# KiCad board memory.ROMRAM.kicad_pcb (continued)
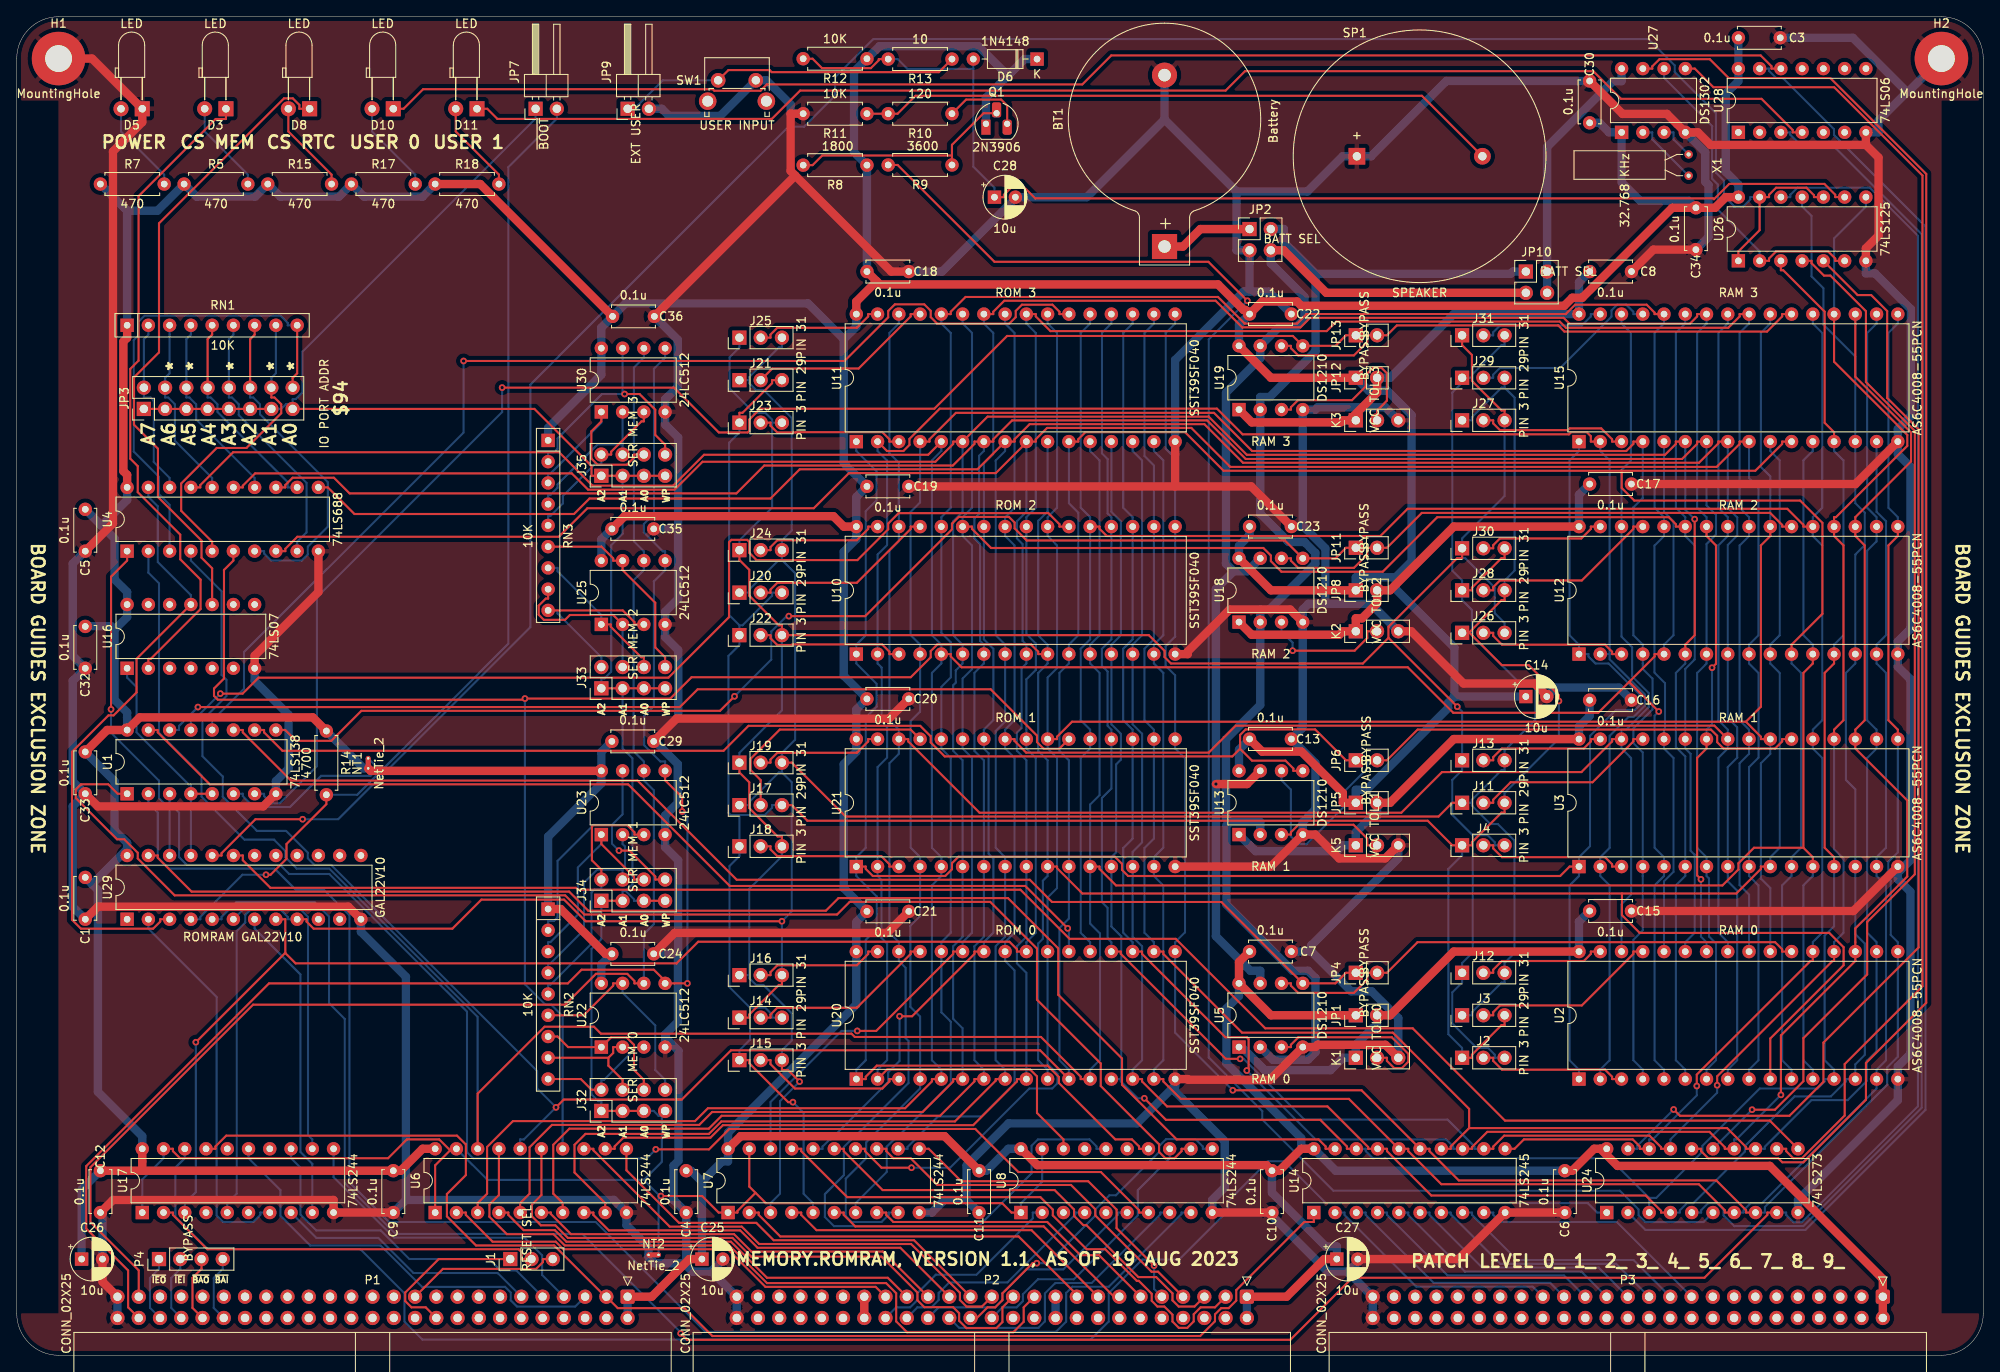
[diagram p0: board, top side]
## Nets (continued)
~{BOOT}: JP7.2 R14.2 U29.4
~{bRD}: U2.24 U3.24 U10.24 U11.24 U12.24 U15.24 U17.3 U20.24 U21.24 U29.8
~{bRESET}: U17.18 U24.1
~{BUS_EN}: U14.19 U29.23
~{bWR}: J3.1 J11.1 J12.3 J13.3 J14.1 J16.3 J17.1 J19.3 J20.1 J21.1 J24.3 J25.3 J28.1 J29.1 J30.3 J31.3 U17.5 U29.9
~{CEO0}: JP4.2 U2.22 U5.6
~{CEO1}: JP6.2 U3.22 U13.6
~{CEO2}: JP11.2 U12.22 U18.6
~{CEO3}: JP13.2 U15.22 U19.6
~{CS_MEM}: U1.4 U1.5 U16.1 U29.21
~{CS_RAM0}: JP4.1 U1.11 U5.5
~{CS_RAM1}: JP6.1 U1.10 U13.5
~{CS_RAM2}: JP11.1 U1.9 U18.5
~{CS_RAM3}: JP13.1 U1.7 U19.5
~{CS_ROM0}: U1.15 U20.22
~{CS_ROM1}: U1.14 U21.22
~{CS_ROM2}: U1.13 U10.22
~{CS_ROM3}: U1.12 U11.22
~{CS_RTC}: U4.19 U16.11 U29.3
~{IEI}: P1.44 P4.2
~{IEO}: P1.46 P4.1
~{IO_EN}: U4.1 U29.22
~{IORQ}: P1.7 U17.11
~{M1}: P1.11 U17.8
~{MEM_EN}: U24.9 U26.12 U29.5
~{MREQ}: P1.9 U17.13
~{RD}: P1.3 U14.1 U17.17
~{RES_IN}: J1.1 P1.20
~{RES_OUT}: J1.3 P1.21
~{RTC_RD}: U26.1 U26.10 U26.13 U29.20
~{RTC_WR}: U24.11 U29.19
~{WR}: P1.5 U17.15
Net-(D3-Pad1): D3.1 U16.2
Net-(D3-Pad2): D3.2 R5.2
Net-(D5-Pad2): D5.2 R7.2
Net-(D8-Pad1): D8.1 U16.10
Net-(D8-Pad2): D8.2 R15.2
Net-(D10-Pad1): D10.1 U28.12
Net-(D10-Pad2): D10.2 R17.2
Net-(D11-Pad1): D11.1 U28.4
Net-(D11-Pad2): D11.2 R18.2
Net-(J1-Pad2): J1.2 U17.2
Net-(J2-Pad2): J2.2 U2.3
Net-(J3-Pad2): J3.2 U2.29
Net-(J4-Pad2): J4.2 U3.3
Net-(J11-Pad2): J11.2 U3.29
Net-(J12-Pad2): J12.2 U2.31
Net-(J13-Pad2): J13.2 U3.31
Net-(J14-Pad2): J14.2 U20.29
Net-(J15-Pad2): J15.2 U20.3
Net-(J16-Pad2): J16.2 U20.31
Net-(J17-Pad2): J17.2 U21.29
Net-(J18-Pad2): J18.2 U21.3
Net-(J19-Pad2): J19.2 U21.31
Net-(J20-Pad2): J20.2 U10.29
Net-(J21-Pad2): J21.2 U11.29
Net-(J22-Pad2): J22.2 U10.3
Net-(J23-Pad2): J23.2 U11.3
Net-(J24-Pad2): J24.2 U10.31
Net-(J25-Pad2): J25.2 U11.31
Net-(J26-Pad2): J26.2 U12.3
Net-(J27-Pad2): J27.2 U15.3
Net-(J28-Pad2): J28.2 U12.29
Net-(J29-Pad2): J29.2 U15.29
Net-(J30-Pad2): J30.2 U12.31
Net-(J31-Pad2): J31.2 U15.31
Net-(J32-Pad2): J32.2 RN2.9 U22.3
Net-(J32-Pad4): J32.4 RN2.8 U22.2
Net-(J32-Pad6): J32.6 RN2.7 U22.1
Net-(J32-Pad8): J32.8 RN2.6 U22.7
Net-(J33-Pad2): J33.2 RN3.9 U25.3
Net-(J33-Pad4): J33.4 RN3.8 U25.2
Net-(J33-Pad6): J33.6 RN3.7 U25.1
Net-(J33-Pad8): J33.8 RN3.6 U25.7
Net-(J34-Pad2): J34.2 RN2.5 U23.3
Net-(J34-Pad4): J34.4 RN2.4 U23.2
Net-(J34-Pad6): J34.6 RN2.3 U23.1
Net-(J34-Pad8): J34.8 RN2.2 U23.7
Net-(J35-Pad2): J35.2 RN3.5 U30.3
Net-(J35-Pad4): J35.4 RN3.4 U30.2
Net-(J35-Pad6): J35.6 RN3.3 U30.1
Net-(J35-Pad8): J35.8 RN3.2 U30.7
Net-(JP3-Pad2): JP3.2 RN1.2 U4.18
Net-(JP3-Pad4): JP3.4 RN1.3 U4.16
Net-(JP3-Pad6): JP3.6 RN1.4 U4.14
Net-(JP3-Pad8): JP3.8 RN1.5 U4.12
Net-(JP3-Pad10): JP3.10 RN1.6 U4.9
Net-(JP3-Pad12): JP3.12 RN1.7 U4.7
Net-(JP3-Pad14): JP3.14 RN1.8 U4.5
Net-(JP3-Pad16): JP3.16 RN1.9 U4.3
Net-(JP9-Pad1): JP9.1 R13.1 SW1.1
Net-(K1-Pad2): K1.2 U5.3
Net-(K2-Pad2): K2.2 U18.3
Net-(K3-Pad2): K3.2 U19.3
Net-(K5-Pad2): K5.2 U13.3
Net-(Q1-Pad2): Q1.2 R8.2 R9.1
Net-(Q1-Pad3): Q1.3 R10.1
Net-(R10-Pad2): R10.2 R11.1 SP1.2
Net-(U27-Pad2): U27.2 X1.2
Net-(U27-Pad3): U27.3 X1.1

Pads without a net: U8 3 5 15 17; U16 3 4 5 6 8 9 12 13; U17 4 6 14 16; U28 1 2 5 6 8 9 10 11; U29 1 10 11 13 14 15 16 17 18

## Via types
v1: diameter 0.8, hole 0.4, Top to Bottom, 46 vias

## Routing (per net, layer and track width the routed paths; a pad name or vN(x,y) marks a point on that pad's centre or on a via; arc(x,y) is an arc through that point)
+12V: length 2.5
  Bottom w1: P2.20 P2.19
-12V: length 2.5
  Top w1: P2.38 P2.37
/battery/V2032: length 11
  Top w1: JP2.1 141.45,134.62 139.36,132.53 BT1.1
/RTC/VBAT: length 31.1
  Bottom w1: JP10.4 JP10.2 182.88,144.43 190.75,152.3 191.78,152.3 U27.8
GND: length 1461.5
  Top w1: C21.2 104.02,50.48 78.62,50.48 C24.2 ; U10.16 139.93,83.81 139.93,84.13 144.94,89.14 152.18,89.14 U18.4 ; C20.2 104.24,76.1 78.84,76.1 C29.2 ; C15.2 219.48,53.1 U3.16 ; 138.43,103.86 147.52,103.86 C23.2 ; 138.43,103.86 C19.2 ; 138.43,103.86 U11.16 ; C36.2 93.03,141.01 ; 93.03,141.01 92.48,141.56 92.48,148.41 R11.2 ; 93.03,141.01 104.5,129.54 C18.2 ; 220.97,144.68 222.49,143.17 222.49,133.83 220.97,132.32 U26.7 ; 220.97,144.68 202.4,144.68 200.9,146.18 U27.4 197.19,148.39 191.89,148.39 C30.2 ; 220.97,144.68 U28.7 ; U29.12 39.63,53.62 9.69,53.62 C1.2 ; U20.16 139.93,33.01 140.01,32.93 149.77,32.93 U5.4 155.18,36.84 155.45,37.11 163.55,37.11 K1.3 ; H1.1 9,155 D5.1 15,147.4 11.5,143.9 11.5,99.43 C5.2 ; C8.2 195.58,132.16 C34.2 ; U16.7 28.43,83.62 36.05,91.24 U4.10 ; C17.2 219.72,104.14 U15.16 ; K5.3 163.53,59.39 158.03,59.39 155.18,62.24 U13.4 149.85,58.41 U21.16 ; U8.10 C10.2 ; C27.2 172.3,11.5 U14.10 C6.2 ; C33.2 9.7,65.61 29.46,65.61 U1.8 ; C12.2 11.5,18.56 37.86,18.56 U17.10 C9.2 ; K2.3 166.65,86.54 172.89,80.3 181.38,80.3 182.84,78.84 C14.2 ; P1.49 10.25,8.79 C26.2
  Bottom w1: C30.2 170.85,152.32 161.85,143.32 SP1.1 158.45,143.32 154.24,139.11 145.77,139.11 ; C34.2 202.16,133.66 202.16,139.9 201.78,140.28 201.78,143.8 U27.4 ; 76.2,73.46 78.99,70.67 78.99,66.03 77.48,64.52 U23.4 77.48,60.73 79.04,59.18 79.04,48.04 78.98,47.98 ; 76.2,73.46 79.04,76.3 79.04,84.3 77.48,85.86 U25.4 77.48,88.86 79.03,90.41 79.03,98.78 ; 76.2,73.46 C29.2 ; 156.38,89.82 156.38,96.45 153.77,99.06 153.68,99.06 ; 156.38,89.82 154.35,89.82 153.68,89.14 U18.4 153.68,75.02 C13.2 155.19,70.79 155.19,65.25 153.68,63.74 U13.4 ; 156.38,89.82 161.82,89.82 K2.3 ; C25.2 84.38,11.41 83,10.03 ; 80,11 76.27,11 75.5,11.77 NT2.1 75.5,12.92 72.86,15.56 U6.10 71.35,18.57 46.51,18.57 ; 80,11 C4.2 78.49,18.57 78.49,22.67 79.08,23.26 79.08,36.38 77.48,37.99 ; 80,11 80,10.75 80.75,10 82.97,10 83,10.03 ; C26.2 10.25,16.81 C12.2 ; 137.16,147.72 127.87,138.43 C28.2 119.34,138.31 110.57,129.54 C18.2 ; 137.16,147.72 BT1.2 ; 137.16,147.72 145.77,139.11 ; 138.43,32.26 138.43,31.51 144.36,25.58 144.36,20.06 142.86,18.56 U8.10 ; 138.43,32.26 133.88,27.72 118.52,27.72 113.5,22.7 113.5,18.56 ; 138.43,32.26 U20.16 ; P1.50 P1.49 ; C1.2 6.68,53.63 6.68,65.61 C33.2 6.69,68.62 6.69,80.62 C32.2 6.69,83.62 6.69,94.62 C5.2 ; U29.12 41.13,50.62 46.51,45.24 46.51,18.57 ; K1.3 165.1,40.31 161.91,43.5 159.47,43.5 154.72,48.26 ; 79.03,98.78 79.03,109.71 77.48,111.26 U30.4 77.48,114.26 78.99,115.77 78.99,121.39 C36.2 ; 79.03,98.78 C35.2 ; P2.50 P2.49 83,10.03 ; P3.50 P3.49 159.14,9.9 159.14,10 ; U28.7 222.48,146.18 222.48,147.58 225.9,151.01 ; 225.9,151.01 219.43,157.48 C3.2 ; 225.9,151.01 226.01,151.01 H2.1 ; U7.10 109.36,17.06 110.86,18.56 113.5,18.56 ; 154.72,48.26 C7.2 ; 154.72,48.26 154.72,49.03 165.1,59.41 K5.3 ; 77.48,37.99 77.48,38.34 79.01,39.87 79.01,47.95 78.98,47.98 ; 77.48,37.99 U22.4 ; JP9.2 77.09,149 77.94,148.15 84.07,148.15 SW1.2 89.59,152.4 92.48,149.51 92.48,148.41 R11.2 ; 46.51,18.57 C9.2 ; C24.2 78.98,47.98 ; C22.2 149.63,127.15 147.32,127.15 ; U3.16 224.79,57.66 ; 224.79,57.66 224.79,56.91 226.29,55.41 226.29,36.02 224.79,34.52 U2.16 224.79,30.49 212.86,18.56 U24.10 ; 224.79,57.66 226.29,59.17 226.29,80.81 224.79,82.31 U12.16 224.79,85.32 226.29,86.82 226.29,106.21 224.79,107.71 U15.16 224.79,110.72 226.35,112.27 226.35,125.05 222.07,129.32 220.97,129.32 U26.7 ; C14.2 183.91,79.81 191.46,79.81 C16.2 ; 145.77,139.11 145.77,132.08 JP2.3 147.32,127.15 ; 159.14,10 156.66,10 150,16.66 C10.2 ; 159.14,10 160.25,11.11 C27.2 ; 147.32,127.15 146.6,127.15 138.43,118.98 U11.16 ; 153.68,99.06 C23.2 ; 153.68,99.06 U19.4 155.18,113.04 155.45,113.31 163.55,113.31 K3.3 ; 113.5,18.56 C11.2 ; U16.7 28.43,80.62 32.48,76.57 32.48,70.13 30.97,68.62 U1.8
VBAT1: length 157.6
  Bottom w1: 155.21,129.27 178.52,129.27 178.79,129.54 JP10.1 ; 155.21,129.27 151.41,133.07 151.41,134.62 JP2.2 ; 155.21,129.27 155.21,120.02 149.73,114.54 148.6,114.54 U19.2 148.6,100.6 151.97,97.22 153.88,97.22 155.18,95.92 155.18,94.62 149.7,89.14 148.6,89.14 U18.2 148.6,77.73 144.5,73.64 144.5,64.21 144.97,63.74 ; 144.97,63.74 144.56,63.33 144.56,53.86 152.46,45.96 154.31,45.96 155.2,45.08 155.2,36.23 154.3,35.34 150.1,35.34 U5.2 ; 144.97,63.74 148.6,63.74 U13.2
VBAT2: length 140.9
  Top w1: JP10.3 156.49,127 151.41,132.08 JP2.4 ; U13.7 147.02,68.28 v1(143.3,68.28)
  Bottom w1: 145.41,93.71 144.5,94.62 144.5,115.06 148.6,119.16 U19.7 150.75,122.81 152.81,122.81 153.88,123.88 153.88,126.51 149.86,130.53 JP2.4 ; 145.41,93.71 143.3,91.6 v1(143.3,68.28) 143.3,50.09 147.43,45.96 148.6,45.96 U5.7 ; 145.41,93.71 147.05,93.71 U18.7
VCC: length 1174.3
  Top w1: U10.32 98.83,99.06 97.59,100.3 72.64,100.3 C35.1 ; 15,22.06 U17.20 ; 15,22.06 C12.1 ; 15,22.06 C9.1 45.88,22.06 48.5,24.68 U6.20 ; P1.1 75.88,7 80.38,11.5 C25.1 ; 102.76,128.38 103.14,128 143.55,128 146.6,124.95 146.83,124.95 C22.1 148.82,125.96 152.98,125.96 153.5,125.45 184.93,125.45 185.88,126.41 187.07,126.41 197.83,137.16 C34.1 202.95,137.16 204.23,138.44 U26.14 ; 102.76,128.38 C18.1 ; 102.76,128.38 100.33,125.96 U11.32 ; NT1.1 42.3,69.85 U23.8 ; U4.20 13.19,105.24 12.74,105.69 12.74,121.17 13.19,121.62 RN1.1 ; U24.20 189.25,24.68 ; 189.25,24.68 188.5,24.68 185.88,22.06 C6.1 ; 189.25,24.68 191.29,22.64 209.49,22.64 223,9.12 P3.1 P3.2 ; C33.1 10.81,74.74 U1.16 14.7,76.25 35.37,76.25 R14.1 ; C7.1 146.06,47 U5.8 149.88,40.64 JP1.1 ; U8.20 121.95,22.73 149.33,22.73 C10.1 150.88,22.06 153.5,24.68 U14.20 ; R18.1 55.38,140 C36.1 ; JP8.1 149.88,91.44 U18.8 ; P2.1 151.75,7 156.25,11.5 C27.1 ; C11.1 110.87,26.19 86.51,26.19 U7.20 ; U19.8 149.88,116.84 JP12.1 ; RN2.1 65,53.34 70.36,47.98 C24.1 ; JP5.1 158.47,66.04 158.47,67.2 153.52,72.15 148.83,72.15 C13.1
  Bottom w1: C33.1 11.69,68.62 11.69,62.74 13.19,61.24 13.19,60.49 ; C18.1 R8.1 100.05,143.81 100.05,153.43 R12.1 103.1,156.48 114.93,156.48 118.45,152.96 ; JP12.1 161.57,115.29 163.78,115.29 166.68,112.39 166.68,94.89 164.78,92.99 ; 118.45,152.96 115.82,150.33 Q1.1 ; 118.45,152.96 120.43,154.94 D6.1 ; 98.83,121.45 98.83,106.63 C19.1 100.33,102.59 U10.32 100.33,97.55 98.83,96.05 98.83,81.23 C20.1 100.33,77.19 U21.32 100.33,72.15 98.82,70.65 98.82,55.84 C21.1 100.33,51.79 U20.32 100.33,41.93 85,26.6 U7.20 85,23.18 84.3,23.18 81.88,20.76 ; 98.83,121.45 100.33,122.95 U11.32 ; 98.83,121.45 94.55,125.73 72.75,125.73 C36.1 69.86,122.84 U30.8 69.86,117.22 63.5,110.86 RN3.1 ; 164.78,92.99 160.02,92.99 JP8.1 ; 164.78,92.99 164.78,91.6 171.8,84.58 171.8,78.74 ; C13.1 146.06,72.4 U13.8 ; U17.20 15,26.18 9.7,31.48 9.7,55.61 9,56.31 ; U19.8 146.06,123.2 C22.1 ; C11.1 115.88,22.06 118.5,24.68 U8.20 ; JP5.1 160.02,67.59 161.28,67.59 171.04,77.36 171.04,77.98 171.8,78.74 ; P1.2 P1.1 ; C10.1 150,19.44 156.44,13 157.75,13 C27.1 ; 10.13,99.18 11.69,97.62 11.69,92.74 13.19,91.24 U16.14 13.19,88.24 11.69,86.74 ; 10.13,99.18 C5.1 ; 10.13,99.18 13.19,102.24 U4.20 ; C12.1 7.75,19.81 C26.1 ; U22.8 69.86,46.72 C24.1 ; U18.8 146.06,96.76 147.32,98.02 C23.1 ; C30.1 189.14,147.32 190.28,146.18 U27.1 191.78,140.22 194,138 199.82,138 C34.1 ; C1.1 9,56.31 ; 9,56.31 13.19,60.49 ; RN1.1 13.19,136.81 ; 13.19,136.81 R7.1 ; 13.19,136.81 16.81,136.81 R5.1 21.5,138.5 28.5,138.5 R15.1 31.5,138.5 38.5,138.5 R17.1 41.5,138.5 48.5,138.5 R18.1 ; C29.1 69.86,72.12 U23.8 69.86,68.35 63.5,61.99 RN2.1 ; C35.1 69.86,97.52 U25.8 ; C14.1 171.8,78.74 ; C25.1 81.88,20.76 ; 81.88,20.76 80.58,22.06 C4.1 ; U5.8 146.06,42.96 144.56,41.45 144.56,34.89 153.5,25.95 153.5,24.68 U14.20 157.62,22.06 C6.1 ; R14.1 41.47,70.15 NT1.1 ; 13.19,60.49 U29.24 ; U1.16 13.19,76.85 11.69,78.35 11.69,86.74 ; 11.69,86.74 11.28,87.15 8.22,87.15 C32.1 ; P2.1 P2.2 ; C3.1 205.74,157.47 U28.14 205.74,152.3 204.23,150.79 204.23,141.45 205.74,139.94 U26.14
VCC_SRAM0: length 54.8
  Top w1: U2.32 171.73,48.25 164.11,40.64 JP1.2
  Bottom w1: JP1.2 162.56,39.09 162,39.09 160.02,37.11 K1.1 158.47,35.56 156.99,34.08 149.13,34.08 146.38,36.84 U5.1 ; U2.32 186.69,51.84 C15.1
VCC_SRAM1: length 54
  Top w1: U3.32 171.73,73.66 164.11,66.04 JP5.2
  Bottom w1: JP5.2 162.56,64.49 162,64.49 160.02,62.51 K5.1 158.47,60.96 157.77,60.26 148.04,60.26 U13.1 ; C16.1 187.96,76.43 186.69,75.16 U3.32
VCC_SRAM2: length 54
  Top w1: U12.32 171.73,99.06 164.11,91.44 JP8.2 162.56,89.89 160.76,88.09 160.02,88.09 K2.1 158.47,86.54 158.06,86.13 147.57,86.13 U18.1
  Bottom w1: U12.32 186.69,102.87 C17.1
VCC_SRAM3: length 54
  Top w1: 159.24,111.76 162.56,115.08 JP12.2 ; 159.24,111.76 158.47,111.76 158.23,111.52 147.58,111.52 U19.1 ; 159.24,111.76 K3.1
  Bottom w1: JP12.2 164.11,116.84 171.73,124.45 U15.32 186.69,128.27 C8.1
/RTC/RTC_CLK_IN: length 178.6
  Top w0.25: U24.16 201.29,24.68 201.29,24.4 202.13,23.55 210.5,23.55 210.98,23.07 213.51,23.07 220.98,30.54 220.98,34.93 228.18,42.14 228.18,141.21 216.72,152.67 204.57,152.67 202.32,154.93 196.31,154.93 195.45,154.06 195.45,153.8 U27.7
/RTC/RTC_DAT_IN: length 136
  Top w0.25: U26.5 219.98,126.73 221.6,126.73 223.52,124.81 223.52,114.43 227.27,110.68 227.27,48.75 215.9,37.37 215.9,32.69 211.84,28.62 198.76,28.62 v1(198,29.38)
  Bottom w0.25: U24.19 193.67,24.68 193.67,25.05 v1(198,29.38)
/RTC/RTC_DQ: length 39.1
  Top w0.25: U26.6 217.31,130.82 217.31,131.1 216.47,131.95 210.24,131.95 209.4,131.1 209.4,130.82 U26.2
  Bottom w0.25: U27.6 196.86,152.67 202.6,146.93 202.6,140.62 203.28,139.95 203.28,136.94 208.28,131.95 U26.2
/RTC/RTC_RST_IN: length 160.7
  Top w0.25: U27.5 200.53,153.8 202.75,151.57 217.18,151.57 227.73,141.02 227.73,44.1 218.44,34.81 218.44,28.66 213.34,23.55 212.29,23.55 211.45,24.4 211.45,24.68 U24.12
/RTC/RTC_WR_EN: length 124.4
  Top w0.25: v1(207.37,29.35) 210.11,29.35 213.5,32.75 213.5,37.9 221.12,45.52 221.12,51.8 226.82,57.5 226.82,110.49 220.98,116.33 220.98,124.8 216.73,129.06 215.96,129.06 214.48,130.54 214.48,130.82 U26.4
  Bottom w0.25: v1(207.37,29.35) U24.15
/RTC/SPEAKER: length 211.9
  Top w0.25: v1(147.06,126.05) 142.41,130.7 116.84,130.7 105.27,142.28 R9.2
  Bottom w0.25: U24.6 201.56,15.92 194.63,15.92 193.81,16.74 193.81,17.42 191.56,19.67 157.34,19.67 148.84,28.17 148.84,29.19 142.45,35.59 142.45,121.44 v1(147.06,126.05)
/RTC/USERBUTN: length 144.1
  Top w0.25: U26.9 217.31,138.44 217.31,138.72 216.02,140.02 204.64,140.02 202.81,138.19 202.72,138.28 121.72,138.28 120.02,139.98 120.02,140.02 119.27,140.02 117.97,138.71 117.97,138.43 C28.1 ; R12.2 95.11,154.98 96.23,153.85 102.07,153.85 103.01,154.8 103.01,154.94 R13.2
  Bottom w0.25: 114.31,153.77 106.44,153.77 105.27,154.94 R13.2 ; 114.31,153.77 D6.2 ; 114.31,153.77 114.31,142.09 116.84,139.56 C28.1
/RTC/USERLED0: length 176.2
  Bottom w0.25: U24.2 194.61,14.99 213.74,14.99 228.09,29.34 228.09,134.93 217.16,145.86 217.16,146.56 211.05,152.67 210.24,152.67 209.4,153.52 209.4,153.8 U28.13
/RTC/USERLED1: length 162
  Bottom w0.25: U28.3 211.94,146.18 211.94,145.9 212.78,145.05 216.59,145.05 227.64,134 227.64,29.59 213.5,15.44 205.25,15.44 203.97,16.71 203.97,17.39 203.18,18.19 202.13,18.19 201.29,17.34 201.29,17.06 U24.5
A0: length 55.6
  Top w0.25: P2.35 102.64,8.18 89.47,8.18 84.97,12.68 65.31,12.68 64.41,13.58 56.87,13.58 53.67,16.78 53.67,17.06 U6.2
A1: length 53.1
  Top w0.25: P2.33 104.1,9.26 89.66,9.26 85.34,13.58 65.68,13.58 64.3,14.95 60.57,14.95 58.75,16.78 58.75,17.06 U6.4
A2: length 50.5
  Top w0.25: U6.6 63.83,17.06 63.83,16.88 66.23,14.48 85.72,14.48 87.8,12.4 103.5,12.4 P2.31
A3: length 48
  Top w0.25: P2.29 105.59,12.85 88.52,12.85 86.45,14.93 70.76,14.93 68.91,16.78 68.91,17.06 U6.8
A4: length 49.9
  Top w0.25: P2.27 107.23,13.75 90.45,13.75 88.38,15.83 79.14,15.83 72.86,22.11 U6.11
A5: length 57.6
  Top w0.25: U6.13 68.91,24.68 68.91,24.5 78.03,15.38 86.63,15.38 88.71,13.3 106.87,13.3 112.71,7.46 112.71,6.61 113.49,5.82 115.34,5.82 P2.25
A6: length 75.2
  Top w0.25: U6.15 62.7,19.15 61.56,18.01 61.56,16.6 62.64,15.53 64.36,15.53 65.87,14.03 85.53,14.03 87.77,11.79 103.34,11.79 107.63,7.5 107.63,6.58 108.46,5.75 111.9,5.75 112.62,5.03 112.62,4.13 113.5,3.25 117.07,3.25 117.79,3.97 117.79,5.73 P2.23
A7: length 84.2
  Top w0.25: P2.21 120.33,5.73 120.33,4 119.08,2.75 106.39,2.75 105.09,4.05 105.09,7.42 103.89,8.63 89.66,8.63 85.16,13.13 65.49,13.13 64.14,14.48 58.57,14.48 56.48,16.56 56.48,18.01 57.62,19.15 U6.17
A8: length 43.6
  Top w0.25: U7.2 88.67,17.06 88.67,16.78 91.24,14.2 119.72,14.2 126.68,7.24 P2.17
A9: length 40.9
  Top w0.25: P2.15 121.27,14.95 95.57,14.95 93.75,16.78 93.75,17.06 U7.4
A10: length 38.4
  Top w0.25: P2.13 131.12,7 122.72,15.41 100.2,15.41 98.83,16.78 98.83,17.06 U7.6
A11: length 35.9
  Top w0.25: P2.11 129.33,11.97 127.11,11.97 123.14,15.93 104.75,15.93 103.91,16.78 103.91,17.06 U7.8
A12: length 39.2
  Top w0.25: v1(135.91,10.71) 131.43,15.19 131.43,17.41 128.04,20.81 112.86,20.81 108.99,24.68 U7.11
  Bottom w0.25: v1(135.91,10.71) 135.91,7.93 P2.9
A13: length 44.5
  Top w0.25: P2.7 136.39,9.99 135.61,9.99 128.89,16.71 128.89,17.45 125.98,20.36 110.02,20.36 106.82,23.55 104.75,23.55 103.91,24.4 103.91,24.68 U7.13
A14: length 53.6
  Top w0.25: P2.5 140.74,5.82 138.85,5.82 138.11,6.57 138.11,7.4 136.17,9.35 134.03,9.35 127.83,15.55 127.46,15.55 126.35,16.66 126.35,17.42 124.03,19.75 103.48,19.75 98.83,24.4 98.83,24.68 U7.15
A15: length 64.3
  Top w0.25: P2.3 143.19,5.73 141.48,5.73 140.65,4.9 140.65,4.05 139.88,3.27 138.87,3.27 138.11,4.04 138.11,4.85 137.14,5.82 136.31,5.82 135.63,6.51 135.63,7.35 134.08,8.89 133.85,8.89 130.07,12.67 127.85,12.67 123.81,16.72 123.81,17.42 122.32,18.9 99.24,18.9 93.75,24.4 93.75,24.68 U7.17
A16: length 24.8
  Bottom w0.25: U8.2 121.41,17.06 121.41,16.36 114.69,9.63 109.83,9.63 107.63,7.43 107.63,6.6 106.76,5.73 105.09,5.73 P2.36
A17: length 27.1
  Bottom w0.25: P2.34 107.63,5.73 109.3,5.73 110.17,6.6 110.17,7.45 111.44,8.72 118.4,8.72 126.49,16.82 126.49,17.06 U8.4
A18: length 29.6
  Bottom w0.25: U8.6 131.57,17.06 131.57,16.78 125.07,10.27 120.67,10.27 117.79,7.39 117.79,6.61 116.91,5.73 110.17,5.73 P2.32
A19: length 34.6
  Bottom w0.25: U8.8 136.65,17.06 136.65,16.84 128.45,8.64 124.12,8.64 122.87,7.39 122.87,4.05 122.09,3.28 112.62,3.28 P2.30
A20: length 39.7
  Top w0.25: v1(121.89,11.01) 121.39,11.01 117.79,7.4 117.79,6.59 116.93,5.73 116.01,5.73 114.74,4.46 P2.28
  Bottom w0.25: U8.11 141.73,24.68 141.73,24.96 140.86,25.84 137.34,25.84 136.51,25 136.51,24.28 131.35,19.12 130.57,19.12 128.89,17.44 128.89,16.69 123.21,11.01 v1(121.89,11.01)
A21: length 32.5
  Bottom w0.25: P2.26 117.79,5.73 119.49,5.73 120.24,6.47 120.24,7.3 122.03,9.09 126.33,9.09 133.97,16.73 133.97,19.74 137.78,23.55 U8.13
bA0: length 424.6
  Top w0.25: U3.12 214.63,59.54 213.5,60.67 ; U12.12 214.63,82.69 213.5,81.56 213.5,60.67 ; 213.5,60.67 207.6,60.67 205.74,58.8 205.74,58.07 203.83,56.16 131.37,56.16 129.4,58.13 129.4,58.41 U21.12 ; U6.18 55.08,31.28 63.08,39.27 68.98,39.27 69.81,38.44 99.75,38.44 100.15,38.05 122.4,38.05 127.14,33.3 127.14,33.01 U20.12
  Bottom w0.25: U2.12 214.63,34.14 213.5,35.27 213.5,56.16 214.63,57.29 U3.12 ; U12.12 214.63,84.94 213.5,86.07 213.5,106.96 214.63,108.09 U15.12 ; U6.18 55.08,40.44 37.36,58.16 33.46,58.16 32.1,59.53 32.1,60.28 30.75,61.63 27.21,61.63 22.08,66.77 22.08,69.33 17,74.41 17,92.28 15.73,93.55 U4.2 ; U20.12 128.27,34.14 129.45,35.32 129.45,50.42 128.27,51.6 U21.12 128.27,65.83 129.4,66.96 129.4,81.56 128.27,82.69 U10.12 128.27,84.94 129.4,86.07 129.4,106.96 128.27,108.09 U11.12
bA1: length 429.8
  Top w0.25: v1(64.44,29.64) 65.37,30.57 79.47,30.57 85.36,36.46 122.29,36.46 U20.11 ; 191.79,105.73 191.79,103.67 193.3,102.16 213.12,102.16 215.78,99.5 215.78,88.63 212.09,84.94 U12.11 ; 191.79,105.73 207.76,105.73 210.96,108.93 210.96,109.22 U15.11 ; 191.79,105.73 144.22,105.73 139.61,110.34 127.7,110.34 126.86,109.5 126.86,109.22 U11.11
  Bottom w0.25: U6.16 60.16,25.81 60.61,25.81 v1(64.44,29.64) 62.18,31.89 62.18,33.98 37.55,58.61 35.58,58.61 34.78,59.41 34.78,60.09 32.19,62.68 28.71,62.68 24.62,66.76 24.62,69.18 22.19,71.61 22.19,75.92 25.06,78.8 25.06,80.74 24.48,81.33 24.48,91.33 20.81,94.99 U4.4 ; U20.11 125.73,34.14 124.6,35.27 124.6,51.07 125.73,52.2 U21.11 125.73,71.12 124.6,72.25 124.6,81.56 125.73,82.69 U10.11 125.73,84.94 126.86,86.07 126.86,100.73 125.73,101.85 U11.11 ; U12.11 212.09,82.69 213.22,81.56 213.22,60.67 212.09,59.54 U3.11 212.09,57.29 210.96,56.16 210.96,35.27 212.09,34.14 U2.11
bA2: length 449
  Top w0.25: U2.10 209.55,37.86 218.31,46.62 218.31,48.77 216.6,50.48 193.95,50.48 191.82,52.61 191.82,55.2 ; U21.10 124.32,58.41 124.32,58.23 127.35,55.2 191.82,55.2 ; 191.82,55.2 205.49,55.2 208.42,58.13 208.42,58.41 U3.10 ; U10.10 122.06,83.81 122.06,84.1 121.19,84.97 110.01,84.97 109.22,84.18 109.22,83.43 106.83,81.05 80.64,81.05 78.09,78.5 v1(60.73,78.5) 60.6,78.36 24.03,78.36 23.58,78.81 23.58,79.7 24.76,80.89 24.76,93.87 25.89,94.99 U4.6
  Bottom w0.25: U20.10 123.19,34.14 122.05,35.28 122.05,49.21 122.62,49.78 122.62,56.72 123.19,57.29 U21.10 123.19,71.12 122.06,72.25 122.06,81.56 123.19,82.69 U10.10 123.19,84.94 122.06,86.07 122.06,99.74 123.19,100.87 U11.10 ; v1(60.73,78.5) 60.73,44.35 63.17,41.91 63.87,41.91 65.24,40.54 U6.14 ; U3.10 209.55,59.54 210.68,60.67 210.68,81.56 209.55,82.69 U12.10 209.55,84.94 210.68,86.07 210.68,106.96 209.55,108.09 U15.10
bA3: length 398.1
  Top w0.25: U4.8 32.1,96.12 32.1,96.4 33.53,97.84 64.78,97.84 68.19,101.25 95.25,101.25 99.45,105.45 117,105.45 120.76,109.22 ; U6.12 71.45,24.68 71.45,24.96 72.49,26.01 82.89,26.01 84.39,27.5 114.29,27.5 119.52,32.73 119.52,33.01 U20.9 ; U11.9 120.76,109.22 ; 120.76,109.22 121.78,109.22 121.78,109.5 123.13,110.85 140.37,110.85 145.02,106.19 203.14,106.19 205.88,108.93 205.88,109.22 U15.9
  Bottom w0.25: U15.9 207.01,104.84 208.14,103.71 208.14,86.07 207.01,84.94 U12.9 207.01,82.69 208.14,81.56 208.14,71.44 207.01,70.31 U3.9 207.01,57.29 208.14,56.16 208.14,35.27 207.01,34.14 U2.9 ; U20.9 120.65,45.72 119.52,46.85 119.52,48.89 120.65,50.02 U21.9 120.65,71.12 119.52,72.25 119.52,74.42 120.08,74.98 120.08,82.12 120.65,82.69 U10.9 120.65,84.94 120.2,85.39 120.2,96.97 119.52,97.65 119.52,99.68 120.65,100.82 U11.9
bA4: length 399.9
  Top w0.25: U6.9 70.32,18.19 66.65,21.85 66.65,25.16 67.96,26.46 82.71,26.46 84.2,27.95 112.11,27.95 116.98,32.82 116.98,33.01 U20.8 ; U15.8 203.34,109.22 203.34,109 201.03,106.69 146.53,106.69 141.92,111.3 121.04,111.3 119.24,109.5 119.24,109.22 U11.8 114.8,105.9 93.57,105.9 90.07,102.41 68.44,102.41 66.59,100.56 40.36,100.56 37.18,103.74 U4.11
  Bottom w0.25: U2.8 204.47,34.14 205.6,35.27 205.6,55.53 204.47,56.65 U3.8 204.47,70.31 205.6,71.43 205.6,75.06 204.47,76.19 U12.8 204.47,96.87 205.6,98 205.6,100.15 204.47,101.28 U15.8 ; U20.8 118.11,34.14 116.98,35.27 116.98,48.89 118.11,50.02 U21.8 118.11,59.54 116.98,60.67 116.98,74.61 118.11,75.74 U10.8 118.11,84.94 116.98,86.07 116.98,106.96 118.11,108.09 U11.8
bA5: length 400.7
  Top w0.25: U20.7 114.44,33.01 114.44,32.73 110.34,28.63 84.24,28.63 82.7,27.09 66.04,27.09 64.11,25.16 64.11,19.31 65.24,18.19 U6.7 ; U15.7 200.8,109.22 200.8,108.93 199.01,107.14 146.86,107.14 142.25,111.75 118.95,111.75 116.7,109.5 116.7,109.22 U11.7 114.44,109.22 114.44,108.93 111.87,106.35 89.33,106.35 86,103.02 39.78,103.02 37.9,104.89 32.97,104.89 32.1,104.02 32.1,103.74 U4.13
  Bottom w0.25: U2.7 201.93,34.14 203.07,35.28 203.07,49.21 202.23,50.05 202.23,56.99 201.93,57.29 U3.7 201.93,59.54 200.8,60.67 200.8,81.56 201.93,82.69 U12.7 201.93,96.97 203.06,98.1 203.06,100.46 201.93,101.59 U15.7 ; U20.7 115.57,34.14 114.44,35.27 114.44,48.88 115.57,50.02 U21.7 115.57,71.12 114.44,72.25 114.44,81.56 115.57,82.69 U10.7 115.57,84.94 115.12,85.39 115.12,96.97 114.43,97.66 114.43,100.01 115,100.58 115,107.52 115.57,108.09 U11.7
bA6: length 403.2
  Top w0.25: U20.6 111.9,33.01 111.9,32.73 108.25,29.08 83.1,29.08 81.56,27.54 63.96,27.54 61.29,24.87 61.29,19.31 60.16,18.19 U6.5 ; v1(200.52,99.94) 200.52,86.07 199.39,84.94 U12.6 ; U4.15 27.02,103.74 27.02,103.94 28.49,105.41 66.33,105.41 68.27,103.47 78.62,103.47 81.95,106.8 109.78,106.8 111.9,108.93 111.9,109.22 U11.6 116.01,112.2 142.44,112.2 147,107.64 196.97,107.64 198.26,108.93 198.26,109.22 U15.6
  Bottom w0.25: v1(200.52,99.94) 199.39,101.07 U15.6 ; U11.6 113.03,100.82 111.9,99.68 111.9,86.07 113.03,84.94 U10.6 113.03,82.69 112.22,81.88 112.22,80.4 111.9,80.09 111.9,72.25 113.03,71.12 U21.6 113.03,50.02 111.9,48.88 111.9,40.23 113.03,39.09 U20.6 ; U12.6 199.39,82.69 198.26,81.56 198.26,72.7 199.39,71.57 U3.6 199.39,57.29 198.26,56.16 198.26,35.27 199.39,34.14 U2.6
bA7: length 409.9
  Top w0.25: 192.68,80.49 v1(196.22,76.95) ; 192.68,80.49 195.72,83.53 195.72,83.81 U12.5 ; 192.68,80.49 188.99,76.79 171.67,76.79 166.23,82.24 112.91,82.24 111.62,83.53 111.62,83.81 U10.5 ; U20.5 109.36,33.01 109.36,32.73 106.16,29.53 82.59,29.53 81.05,27.99 59.3,27.99 56.21,24.9 56.21,19.31 55.08,18.19 U6.3 ; U4.17 21.94,103.74 21.94,104.02 25.86,107.94 64.81,107.94 68.81,103.95 78.44,103.95 82.13,107.64 108.91,107.64 U11.5
  Bottom w0.25: U11.5 110.49,108.09 109.36,106.96 109.36,86.07 110.49,84.94 U10.5 110.49,82.69 109.36,81.56 109.36,60.67 110.49,59.54 U21.5 110.49,57.29 109.36,56.16 109.36,35.27 110.49,34.14 U20.5 ; U2.5 196.85,34.14 195.72,35.27 195.72,56.16 196.85,57.29 U3.5 196.85,59.54 195.72,60.67 195.72,76.45 v1(196.22,76.95) ; U15.5 196.85,100.82 197.98,99.68 197.98,86.07 196.85,84.94 U12.5
bA8: length 286.6
  Top w0.25: v1(100.45,38.77) 102.7,38.77 111.9,47.97 111.9,48.25 U20.27 ; U12.27 198.26,99.06 198.26,99.34 197.42,100.18 169.76,100.18 163.24,93.66 151.13,93.66 149.87,94.92 149.87,95.59 148.97,96.5 116.43,96.5 114.16,98.77 114.16,99.06 U10.27
  Bottom w0.25: U15.27 199.39,123.33 198.26,122.2 198.26,101.31 199.39,100.18 U12.27 199.39,97.93 200.52,96.8 200.52,83.18 199.39,82.05 U3.27 199.39,72.53 200.03,71.89 200.03,71.89 200.03,60.31 200.52,59.82 200.52,50.51 199.39,49.38 U2.27 ; U7.18 90.08,30.28 98.57,38.77 v1(100.45,38.77) ; U11.27 113.03,123.33 114.16,122.2 114.16,101.31 113.03,100.18 U10.27 113.03,97.93 114.16,96.8 114.16,82.01 113.03,80.89 U21.27 113.03,72.53 114.16,71.4 114.16,50.51 113.03,49.38 U20.27
bA9: length 282.2
  Top w0.25: v1(201.26,56.89) 200.8,57.35 200.8,71.4 201.93,72.53 U3.26 ; U20.26 114.44,48.25 114.44,47.97 106.99,40.52 v1(105.5,40.52) ; U12.26 201.93,97.93 203.06,96.8 203.06,82.66 v1(202.59,82.19) ; U11.26 116.7,124.45 116.7,124.74 118.01,126.05 143.26,126.05 146.44,122.87 153.41,122.87 154.55,124.01 184.85,124.01 185.56,123.3 199.93,123.3 200.8,124.17 200.8,124.45 U15.26
  Bottom w0.25: U12.26 201.93,100.18 200.8,101.31 200.8,122.2 201.93,123.33 U15.26 ; U3.26 201.93,74.78 202.59,75.44 v1(202.59,82.19) ; U2.26 201.93,49.38 201.26,50.05 v1(201.26,56.89) ; U11.26 115.57,123.33 116.7,122.2 116.7,107.72 115.57,106.59 U10.26 115.57,85.58 116.7,84.44 116.7,75.91 115.57,74.78 U21.26 115.57,72.53 116.14,71.96 116.14,59.94 116.71,59.37 116.71,50.52 115.57,49.38 U20.26 ; U7.16 96.29,24.68 96.29,24.95 97.14,25.81 97.26,25.81 104.14,32.68 104.14,33.82 105.5,35.19 v1(105.5,40.52)
bA10: length 290.2
  Top w0.25: 206.63,75.73 208.42,77.52 208.42,96.8 209.55,97.93 U12.23 ; 206.63,75.73 208.42,73.94 208.42,73.66 U3.23 ; 206.63,75.73 126.11,75.73 124.32,73.94 124.32,73.66 U21.23 ; v1(106.92,22.42) 103.35,22.42 101.37,24.4 101.37,24.68 U7.14
  Bottom w0.25: U2.23 209.55,55.85 208.42,56.97 208.42,70.77 209.55,71.89 U3.23 ; U15.23 209.55,123.33 208.42,122.2 208.42,106.18 209.55,105.05 U12.23 ; v1(106.92,22.42) 111.54,22.42 121.01,31.89 123.74,31.89 124.37,32.52 124.37,33.64 123.19,34.82 U20.23 123.19,54.72 124.32,55.85 124.32,71.4 123.19,72.53 U21.23 123.19,81.01 124.32,82.14 124.32,96.8 123.19,97.93 U10.23 123.19,100.18 124.32,101.31 124.32,122.2 123.19,123.33 U11.23
bA11: length 280.7
  Top w0.25: U21.25 119.24,73.66 119.24,73.43 120.63,72.04 142.45,72.04 145.68,75.26 202.86,75.26 U3.25
  Bottom w0.25: U2.25 204.47,49.38 203.34,50.51 203.34,71.4 204.47,72.53 U3.25 204.47,74.78 203.34,75.91 203.34,96.8 204.47,97.93 U12.25 204.47,100.18 203.34,101.31 203.34,122.2 204.47,123.33 U15.25 ; U11.25 118.11,123.33 119.24,122.2 119.24,101.31 118.11,100.18 U10.25 118.11,97.93 119.24,96.8 119.24,75.91 118.11,74.78 U21.25 118.11,72.53 119.24,71.4 119.24,50.51 118.11,49.38 U20.25 118.11,47.13 119.24,46 119.24,32.52 115.26,28.54 110.09,28.54 106.45,24.9 106.45,24.68 U7.12
bA12: length 276.7
  Top w0.25: U11.4 109.08,109.22 109.08,109.5 112.23,112.65 143.07,112.65 147.63,108.09 192.34,108.09 193.18,108.93 193.18,109.22 U15.4
  Bottom w0.25: U11.4 107.95,101.94 106.82,100.8 106.82,86.07 107.95,84.94 U10.4 107.95,76.93 106.82,75.8 106.82,60.67 107.95,59.54 U21.4 107.95,52.5 106.78,51.33 106.78,41.66 107.95,40.49 U20.4 107.95,31.89 101.51,25.45 101.51,23.55 99.07,21.11 99.07,16.63 99.77,15.93 103.35,15.93 104.19,16.78 104.19,17.06 U7.9 ; U15.4 194.31,102.47 193.18,101.34 193.18,86.07 194.31,84.94 U12.4 194.31,82.05 195.48,80.89 195.48,77.2 193.18,74.91 193.18,73.19 194.31,72.06 U3.4 194.31,50.79 193.18,49.66 193.18,35.27 194.31,34.14 U2.4
bA13: length 284.8
  Top w0.25: U15.28 195.72,124.45 195.72,124.63 194.78,125.58 186.22,125.58 185.1,124.46 154.13,124.46 153,123.32 146.74,123.32 143.55,126.5 113.38,126.5 111.62,124.74 111.62,124.45 U11.28
  Bottom w0.25: U7.7 100.24,18.19 103.97,21.91 103.97,24.94 105.11,26.08 105.24,26.08 111.62,32.46 111.62,39.87 110.49,41 U20.28 110.49,49.38 111.62,50.51 111.62,71.4 110.49,72.53 U21.28 110.49,79.9 111.62,81.04 111.62,85.22 110.49,86.35 U10.28 110.49,100.18 111.62,101.31 111.62,122.2 110.49,123.33 U11.28 ; U15.28 196.85,123.33 195.72,122.2 195.72,101.31 196.85,100.18 U12.28 196.85,97.93 195.7,96.78 195.7,81.62 196.96,80.35 196.96,74.89 196.85,74.78 U3.28 196.85,72.53 197.98,71.4 197.98,57.79 196.85,56.65 U2.28
bA14: length 325.9
  Top w0.25: 173.56,86.39 177.47,82.49 180.68,82.49 184.29,78.88 v1(184.29,78.21) ; 173.56,86.39 173.34,86.39 173.31,86.36 J26.1 ; 173.56,86.39 177.43,90.26 177.8,90.26 J28.3 ; J11.3 177.8,64.86 177.43,64.86 173.9,61.33 173.9,60.96 J4.1 171.54,60.96 168.61,63.89 94.48,63.89 92.62,65.76 J17.3 ; J21.3 90.26,116.56 90.26,116.19 86.73,112.66 86.36,112.66 J23.1 ; J3.3 177.8,39.46 177.43,39.46 173.9,35.93 173.9,35.56 J2.1 ; v1(92.75,30.26) 92.18,30.26 87.54,34.9 87.54,35.28 J15.1
  Bottom w0.25: 87.63,41.55 85.17,44 85.17,58.48 86.36,59.66 J18.1 86.36,64.57 ; 87.63,41.55 89.44,41.55 90.26,40.73 90.26,40.36 J14.3 ; 87.63,41.55 87.63,37.73 86.36,36.46 J15.1 ; 86.36,64.57 89.4,64.57 90.26,65.44 90.26,65.76 J17.3 ; 86.36,64.57 85.32,64.57 85.05,64.84 85.05,83.59 86.36,84.9 J22.1 86.36,87.26 ; J23.1 86.36,110.3 85.13,109.08 85.13,88.48 86.36,87.26 ; J29.3 177.8,115.66 ; 177.8,115.66 177.43,115.66 173.9,112.13 173.9,111.76 J27.1 ; 177.8,115.66 179,114.46 179,93.82 177.8,92.62 J28.3 ; J20.3 90.26,91.16 90.26,90.79 86.73,87.26 86.36,87.26 ; J2.1 172.72,36.74 171.08,38.38 171.08,58.14 172.72,59.78 J4.1 ; v1(184.29,78.21) 184.29,73.7 177.8,67.22 J11.3 ; U7.5 95.16,18.19 94.03,19.31 94.03,28.97 v1(92.75,30.26)
